# KiCad board for_real_486_rc13.kicad_pcb (continued)
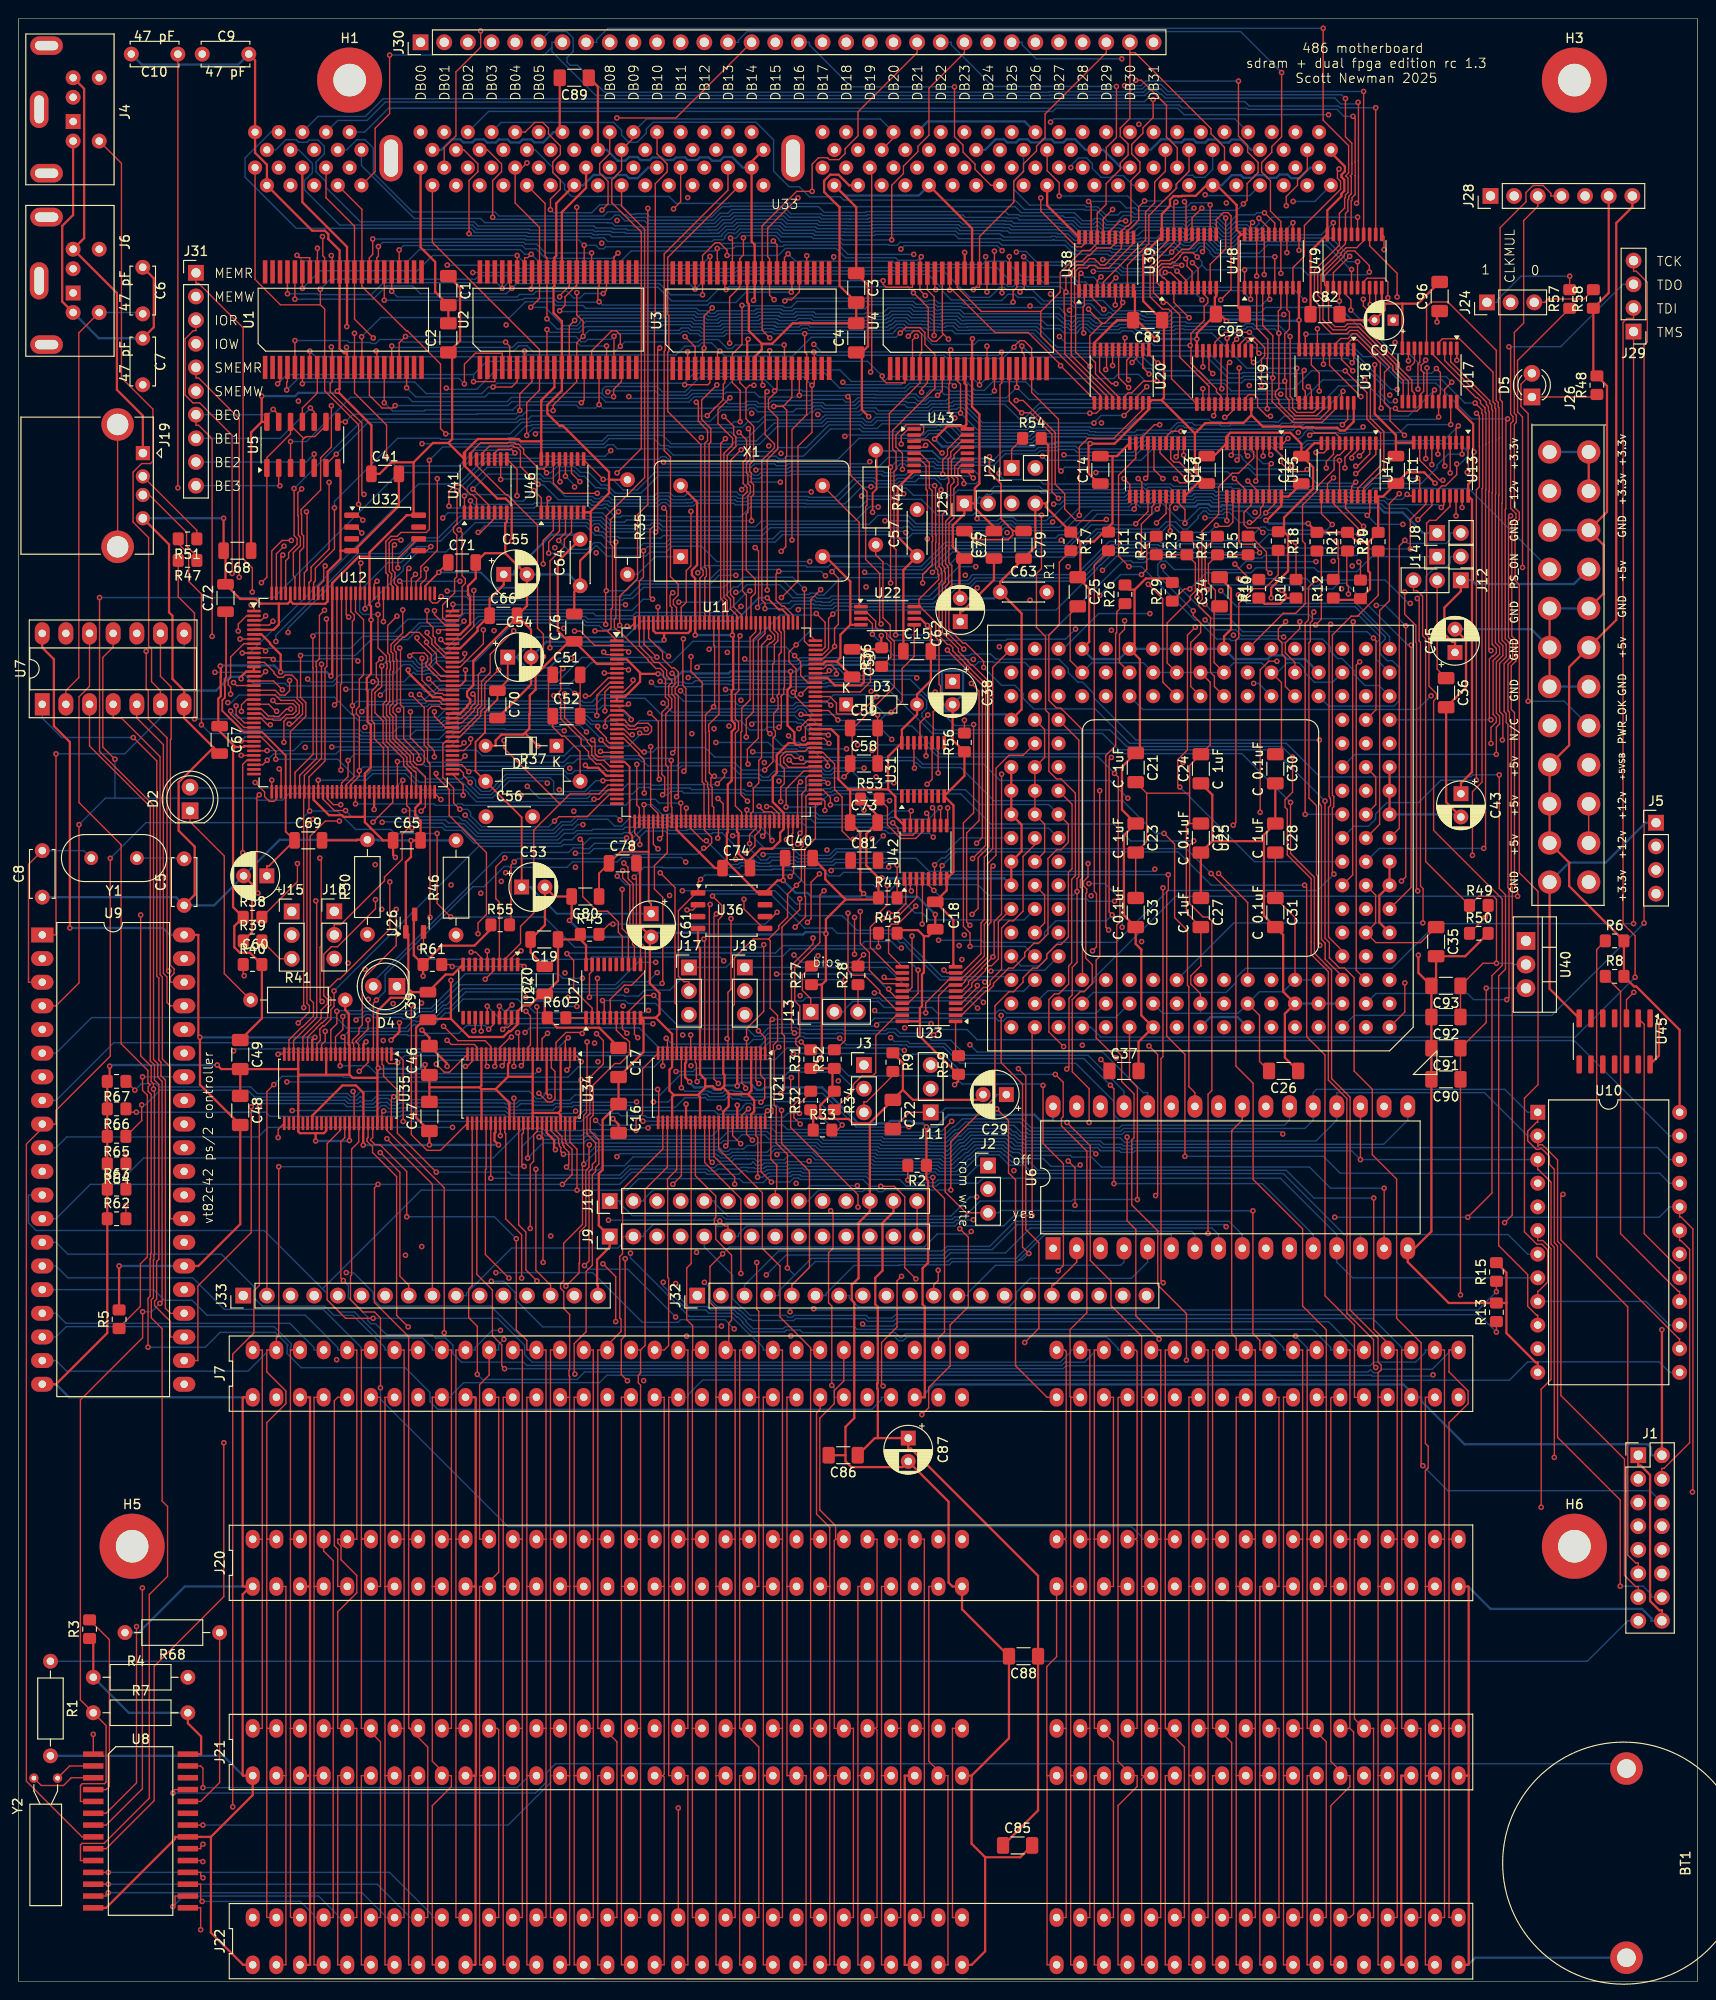
[diagram p0: board, top side]
## Nets (continued)
DB26: J30.27 U4.13 U12.117 U20.16 U33.71 U38.7
DB27: J30.28 U4.14 U12.116 U20.15 U33.72 U38.8
DB28: J30.29 U4.31 U12.115 U20.14 U33.74 U38.13
DB29: J30.30 U4.32 U12.114 U20.13 U33.75 U38.14
DB30: J30.31 U4.35 U12.113 U20.12 U33.76 U38.17
DB31: J30.32 U4.36 U12.112 U20.11 U33.77 U38.18
DB32: U33.86 U49.2
DB33: U33.87 U49.5
DB34: U33.88 U49.6
DB35: U33.89 U49.9
DB36: U33.91 U49.12
DB37: U33.92 U49.15
DB38: U33.93 U49.16
DB39: U33.94 U49.19
DB40: U33.95 U48.2
DB41: U33.97 U48.5
DB42: U33.98 U48.6
DB43: U33.99 U48.9
DB44: U33.100 U48.12
DB45: U33.101 U48.15
DB46: U33.103 U48.16
DB47: U33.104 U48.19
DB48: U33.139 U39.2
DB49: U33.140 U39.5
DB50: U33.141 U39.6
DB51: U33.142 U39.9
DB52: U33.144 U39.12
DB53: U33.149 U39.15
DB54: U33.150 U39.16
DB55: U33.151 U39.19
DB56: U33.153 U38.2
DB57: U33.154 U38.5
DB58: U33.155 U38.6
DB59: U33.156 U38.9
DB60: U33.158 U38.12
DB61: U33.159 U38.15
DB62: U33.160 U38.16
DB63: U33.161 U38.19
DQMB0: U12.82 U33.28
DQMB1: U12.83 U33.29
DQMB2: U12.84 U33.46
DQMB3: U12.85 U33.47
DQMB_HIGH: U12.87 U33.112 U33.113 U33.130 U33.131
dram0_en: U11.38 U12.95 U33.128
dram_A00: U11.119 U33.33
dram_A01: U11.120 U33.117
dram_A02: U11.121 U33.34
dram_A03: U11.122 U33.118
dram_A04: U11.124 U33.35
dram_A05: U11.125 U33.119
dram_A06: U11.128 U33.36
dram_A07: U11.129 U33.120
dram_A08: U11.130 U33.37
dram_A09: U11.134 U33.121
dram_A10: U11.135 U33.38
dram_A11: U11.136 U33.123
dram_A12: U11.137 U33.126
dram_A13: U11.138
DRQ0: J7.71 J20.71 J21.71 J22.71
DRQ1: J7.18 J20.18 J21.18 J22.18 U46.12
DRQ2: J7.6 J20.6 J21.6 J22.6 U46.13
DRQ3: J7.16 J20.16 J21.16 J22.16 U46.14
DRQ5: J7.73 J20.73 J21.73 J22.73 U46.4
DRQ6: J7.75 J20.75 J21.75 J22.75 U46.5
DRQ7: J7.77 J20.77 J21.77 J22.77 U46.6
EADS: R20.2 U25.B17
FLUSH: J10.5 U25.C15
FPGA_ADS: U7.13 U11.114 U12.74 U23.11
FPGA_BE0: U11.115 U23.18
FPGA_BE1: U11.116 U23.17
FPGA_BE2: U11.117 U23.16
FPGA_BE3: U11.118 U23.15
FPGA_CH_RDY: U12.8 U27.13
FPGA_CLOCK: U11.93 U12.130 U22.5
FPGA_D/C: U11.112 U12.63 U23.13
FPGA_IOCS16: U12.1 U27.11
FPGA_IOR: J31.3 U11.25 U24.4
FPGA_IOW: J31.4 U11.26 U24.5
FPGA_M/IO: U11.113 U12.64 U23.12
FPGA_MEMCS16: U12.2 U27.12
FPGA_MEMR: J31.1 U11.31 U24.2
FPGA_MEMW: J31.2 U11.32 U24.3
FPGA_NOWS: U12.7 U27.14
FPGA_RESET: J16.3 J18.3 R30.1 U26.2
FPGA_RESET_BUTTON: J25.3 R55.2 U11.52
FPGA_SMEMR: J31.5 U11.28 U24.6
FPGA_SMEMW: J31.6 U11.29 U24.7
FPGA_W/R: U11.110 U12.62 U23.14 U33.27
HITM: J10.1 U25.A12
HLDA: J10.11 U25.P15 U27.5
HOLD: R18.2 U25.E15
INC: J9.7 U25.A13
INT: J9.6 U12.81 U25.A16
INT_1: U9.35
INT_12: U9.36
INTA: U11.34 U12.80
INV: J9.8 U25.A10
IOCS16: J7.64 J20.64 J21.64 J22.64 U27.9
IOR: J7.14 J20.14 J21.14 J22.14 U8.22 U9.8 U10.22 U24.16
IOW: J7.13 J20.13 J21.13 J22.13 U8.27 U9.10 U10.23 U24.15
IRQ0: U10.10 U43.11
IRQ1: U43.12
IRQ1_EN: U10.11
IRQ2: J7.4 J20.4 J21.4 J22.4
IRQ3: J7.25 J20.25 J21.25 J22.25 U43.14
IRQ4: J7.24 J20.24 J21.24 J22.24 U43.3
IRQ5: J7.23 J20.23 J21.23 J22.23 U43.4
IRQ6: J7.22 J20.22 J21.22 J22.22 U43.5
IRQ7: J7.21 J20.21 J21.21 J22.21 U43.6
IRQ8: R7.1 U8.5 U41.11
IRQ9: U41.12
IRQ10: J7.65 J20.65 J21.65 J22.65 U41.13
IRQ11: J7.66 J20.66 J21.66 J22.66 U41.14
IRQ12: J7.67 J20.67 J21.67 J22.67 U41.3
IRQ13: U41.4
IRQ14: J7.69 J20.69 J21.69 J22.69 U41.5
IRQ15: J7.68 J20.68 J21.68 J22.68 U41.6
ISA_00: J1.7 J7.40 J20.40 J21.40 J22.40 U6.13 U8.11 U9.12 U10.8 U34.47
ISA_01: J1.8 J7.39 J20.39 J21.39 J22.39 U6.14 U8.12 U9.13 U10.7 U34.46
ISA_02: J1.9 J7.38 J20.38 J21.38 J22.38 U6.15 U8.13 U9.14 U10.6 U34.44
ISA_03: J1.10 J7.37 J20.37 J21.37 J22.37 U6.17 U8.15 U9.15 U10.5 U34.43
ISA_04: J1.11 J7.36 J20.36 J21.36 J22.36 U6.18 U8.16 U9.16 U10.4 U34.41
ISA_05: J1.12 J7.35 J20.35 J21.35 J22.35 U6.19 U8.17 U9.17 U10.3 U34.40
ISA_06: J1.13 J7.34 J20.34 J21.34 J22.34 U6.20 U8.18 U9.18 U10.2 U34.38
ISA_07: J1.14 J7.33 J20.33 J21.33 J22.33 U6.21 U8.19 U9.19 U10.1 U34.37
ISA_08: J7.91 J20.91 J21.91 J22.91 U34.36
ISA_09: J7.92 J20.92 J21.92 J22.92 U34.35
ISA_10: J7.93 J20.93 J21.93 J22.93 U34.33
ISA_11: J7.94 J20.94 J21.94 J22.94 U34.32
ISA_12: J7.95 J20.95 J21.95 J22.95 U34.30
ISA_13: J7.96 J20.96 J21.96 J22.96 U34.29
ISA_14: J7.97 J20.97 J21.97 J22.97 U34.27
ISA_15: J7.98 J20.98 J21.98 J22.98 U34.26
ISA_A00: J7.62 J20.62 J21.62 J22.62 U21.47
ISA_A01: J7.61 J20.61 J21.61 J22.61 U21.46
ISA_A02: J7.60 J20.60 J21.60 J22.60 U21.44
ISA_A03: J7.59 J20.59 J21.59 J22.59 U21.43
ISA_A04: J7.58 J20.58 J21.58 J22.58 U21.41
ISA_A05: J7.57 J20.57 J21.57 J22.57 U21.40
ISA_A06: J7.56 J20.56 J21.56 J22.56 U21.38
ISA_A07: J7.55 J20.55 J21.55 J22.55 U21.37
ISA_A08: J7.54 J20.54 J21.54 J22.54 U21.36
ISA_A09: J7.53 J20.53 J21.53 J22.53 U21.35
ISA_A10: J7.52 J20.52 J21.52 J22.52 U21.33
ISA_A11: J7.51 J20.51 J21.51 J22.51 U21.32
ISA_A12: J7.50 J20.50 J21.50 J22.50 U21.30
ISA_A13: J7.49 J20.49 J21.49 J22.49 U21.29
ISA_A14: J7.48 J20.48 J21.48 J22.48 U21.27
ISA_A15: J7.47 J20.47 J21.47 J22.47 U21.26
ISA_A16: J7.46 J20.46 J21.46 J22.46 U35.47
ISA_A17: J7.45 J20.45 J21.45 J22.45 U35.46
ISA_A18: J7.44 J20.44 J21.44 J22.44 U35.44
ISA_A19: J7.43 J20.43 J21.43 J22.43 U35.43
ISA_A20: J7.85 J20.85 J21.85 J22.85 U35.41
ISA_A21: J7.84 J20.84 J21.84 J22.84 U35.40
ISA_A22: J7.83 J20.83 J21.83 J22.83 U35.38
ISA_A23: J7.82 J20.82 J21.82 J22.82 U35.37
ISA_CLK: J7.20 J20.20 J21.20 J22.20 U11.141
ISA_dir: U12.12 U34.1 U34.24
ISA_High_en: U12.16 U34.25
ISA_Low_en: U12.15 U34.48
ISA_WAIT: U11.43 U12.48
isabus_en: J33.14 U11.33 U12.47
KBD_A20: J3.2 U9.22
kbd_clk: C9.2 J4.5 U7.6 U9.1
kbd_data: C10.2 J4.1 U7.8 U9.27
kbd_en: U9.6 U11.44
KEN: J10.6 U25.F15
lcd_en: J1.6 U11.7
LOCK: J10.10 U25.N15 U27.4
M/IO: J33.3 U23.8 U25.N16
MASTER16: J7.79 J20.79 J21.79 J22.79 U46.11
MCLK0: J28.1 U11.60
MCLK1: J28.2
MCLK2: J28.3 U10.9 U10.15 U10.18
MEMCS16: J7.63 J20.63 J21.63 J22.63 U27.8
MEMR: J7.89 J20.89 J21.89 J22.89 U1.37 U2.37 U3.37 U4.37 U6.24 U24.18
MEMW: J2.3 J7.90 J20.90 J21.90 J22.90 U1.15 U2.15 U3.15 U4.15 U24.17
ms_clk: C6.2 J6.5 U7.2 U9.39
ms_data: C7.2 J6.1 U7.4 U9.28
NOWS: J7.8 J20.8 J21.8 J22.8 U27.6
P14: U9.31
P15: U9.32
P16: U9.33
P21: U9.21
PCD: J10.3 U25.J17
PCHK: J10.4 U25.Q17
PIC0_en: U11.45 U12.52
PIC1_en: U11.47 U12.55
PIT_en: U10.21 U11.49
PLOCK: U25.Q16
PWT: J10.9 U25.L15
RDY: J33.13 U11.22 U25.F16
REFRESH: J7.19 J20.19 J21.19 J22.19 U10.13 U11.64 U12.129
RESET: U7.11 U9.4 U11.39 U12.73 U31.10 U42.10
rom_en: J33.15 U6.22 U11.55
rtc_en: U8.20 U11.48
S1: U12.10 U33.30
S2: U12.9 U33.45
SA0: U12.91 U33.165
SA1: U12.90 U33.166
SA2: U12.88 U33.167
SBHE: J7.81 J20.81 J21.81 J22.81
SCL: J28.4 U11.63
SDA: J28.5 U11.62
SDRAM_HIGH_BUS: U11.56 U12.11
SDRAM_HWORD: U12.37 U38.1 U39.1 U48.1 U49.1
SDRAM_LATCH: U12.38 U38.11 U39.11 U48.11 U49.11
SDRAM_SCL: U12.97 U33.83
SDRAM_SDA: U12.96 U33.82
SHIFT_CLK_EN: U12.79 U41.15 U43.15 U46.15
SHIFT_EN: U41.1 U43.1 U46.1
SMEMR: J7.12 J20.12 J21.12 J22.12 U24.14
SMEMW: J7.11 J20.11 J21.11 J22.11 U24.13
SMI: U25.B10
SMIACT: J10.2 U25.C12
speaker_en: U45.1
SPI_SS: J15.2 J17.2 U11.71 U12.71 U32.1 U36.1
sram_en: J33.9 U5.1 U5.4 U5.9 U5.12 U11.8
STPCLK: J9.10 R21.2 U25.G15
TC: J7.27 J20.27 J21.27 J22.27 U46.3
TE0: J33.5 U11.1 U17.19
TE1: J33.6 U11.2 U18.19
TE2: J33.7 U11.3 U19.19
TE3: J33.8 U11.4 U20.19
UNUSED0: U11.139 U12.61
UNUSED1: U12.60
UNUSED2: U12.56
UP: J9.9 U25.C11
USBD+: R47.2 U11.23
USBD-: R51.2 U11.24
W/R: J33.1 U17.1 U18.1 U19.1 U20.1 U23.6 U25.N17
WTWB: J13.2 U25.B13
x00: U11.18 U12.34 U34.2
x01: U11.17 U12.33 U34.3
x02: U11.16 U12.32 U34.5
x03: U11.15 U12.31 U34.6
x04: U11.12 U12.29 U34.8
x05: U11.11 U12.28 U34.9
x06: U11.10 U12.26 U34.11
x07: U11.9 U12.25 U34.12
x08: U12.24 U34.13
x09: U12.23 U34.14
x10: U12.22 U34.16
x11: U12.21 U34.17
x12: U12.20 U34.19
x13: U12.19 U34.20
x14: U12.18 U34.22
x15: U12.17 U34.23
~{CAS}: U12.42 U33.115
~{RAS}: U12.43 U33.111
~{RESET}: J16.1 J18.1 U7.10 U25.C16
Net-(BT1-+): BT1.1 U8.25
Net-(D1-K): D1.1 U12.108
Net-(D2-K): D2.1 R41.1
Net-(D3-K): D3.1 U11.108
Net-(D4-K): D4.1 R46.1
Net-(D5-A): D5.2 J26.8
Net-(D5-K): D5.1 R48.1
Net-(J1-Pin_15): J1.15 R1.1
Net-(J2-Pin_1): J2.1 R2.2
Net-(J2-Pin_2): J2.2 U6.31
Net-(J3-Pin_3): J3.3 R9.2
Net-(J5-Pin_4): J5.4 U45.3
Net-(J8-Pin_2): J8.2 U25.J1
Net-(J9-Pin_3): J9.3 R15.1
Net-(J9-Pin_5): J9.5 R13.1
Net-(J11-Pin_2): J11.2 U25.S4
Net-(J13-Pin_1): J13.1 R27.2
Net-(J13-Pin_3): J13.3 R28.1
Net-(J14-Pin_1): J14.1 R29.1
Net-(J14-Pin_2): J14.2 U25.C10
Net-(J15-Pin_1): J15.1 R40.1
Net-(J15-Pin_3): J15.3 R39.2
Net-(J17-Pin_1): J17.1 R45.1
Net-(J17-Pin_3): J17.3 R44.2
Net-(J19-D+): J19.3 R47.1
Net-(J19-D-): J19.2 R51.1
Net-(J20-IO): J7.32 J20.32 J21.32 J22.32
Net-(J20-LA17): J7.88 J20.88 J21.88 J22.88
Net-(J20-LA18): J7.87 J20.87 J21.87 J22.87
Net-(J20-LA19): J7.86 J20.86 J21.86 J22.86
Net-(J20-OSC): J7.30 J20.30 J21.30 J22.30
Net-(J20-RESET): J7.2 J20.2 J21.2 J22.2
Net-(J24-Pin_1): J24.1 R57.2
Net-(J24-Pin_2): J24.2 U25.R17
Net-(J24-Pin_3): J24.3 R58.2
Net-(J25-Pin_2): J25.2 J26.16
Net-(J27-Pin_1): J27.1 R54.1
Net-(J29-Pin_1): J29.1 U25.B14
Net-(J29-Pin_2): J29.2 U25.A14
Net-(J29-Pin_3): J29.3 U25.B16
Net-(J29-Pin_4): J29.4 U25.A3
Net-(U1-~{CE}): U1.8 U5.11
Net-(U2-~{CE}): U2.8 U5.8
Net-(U3-~{CE}): U3.8 U5.6
Net-(U4-~{CE}): U4.8 U5.3
Net-(U8-Vout): R4.2 U8.1
Net-(U8-X1): U8.2 Y2.2
Net-(U8-X2): U8.3 Y2.1
Net-(U8-~{KS}): R68.1 U8.24
Net-(U8-~{RST}): R3.2 U8.4
Net-(U9-KBCO): U7.5 U9.37
Net-(U9-KBDO): U7.9 U9.38
Net-(U9-P22/MSDO): U7.3 U9.23
Net-(U9-P23/MSCO): U7.1 U9.24
Net-(U9-xtal_1): C5.2 U9.2 Y1.1
Net-(U9-xtal_2): C8.2 U9.3 Y1.2
Net-(U9-~{KBD-INH}): R5.1 U9.34
Net-(U10-G1): R6.1 U10.14
Net-(U10-G2): R8.1 U10.16
Net-(U10-OUT2): U10.17 U45.2
Net-(U11E-GNDPLL0): C58.2 C59.2 U11.53 U11.127
Net-(U11E-IOB_105_SDO): U11.67 U36.5
Net-(U11E-IOB_106_SDI): U11.68 U36.2
Net-(U11E-IOB_107_SCK): R43.2 U11.70 U36.6
Net-(U11E-VCC_SPI): C63.2 U11.72
Net-(U11E-VCCPLL0): C58.1 C59.1 R42.2 U11.54 U11.126
Net-(U12E-GNDPLL0): C51.2 C52.2 U12.53 U12.127
Net-(U12E-IOB_105_SDO): U12.67 U32.5
Net-(U12E-IOB_106_SDI): U12.68 U32.2
Net-(U12E-IOB_107_SCK): R38.2 U12.70 U32.6
Net-(U12E-VCC_SPI): C56.2 U12.72
Net-(U12E-VCCPLL0): C51.1 C52.1 R37.2 U12.54 U12.126
Net-(U13-A->B): R10.2 U13.1
Net-(U14-A->B): R12.2 U14.1
Net-(U15-A->B): R14.2 U15.1
Net-(U16-A->B): R16.2 U16.1
Net-(U21-1DIR): R62.2 U21.1
Net-(U21-1~{OE}): R66.1 U21.48
Net-(U21-2DIR): R63.2 U21.24
Net-(U21-2~{OE}): R67.1 U21.25
Net-(U22-1G): R36.1 U22.2
Net-(U22-CLKIN): U22.1 X1.8
Net-(U23-A->B): R59.2 U23.1
Net-(U23-CE): R34.2 U23.19
Net-(U24-A->B): R61.2 U24.1
Net-(U24-CE): R33.2 U24.19
Net-(U25-DP0): R25.2 U25.N3
Net-(U25-DP1): R24.2 U25.F1
Net-(U25-DP2): R23.2 U25.H3
Net-(U25-DP3): R22.2 U25.A5
Net-(U25-FERR): R17.2 U25.C14
Net-(U25-IGNNE): R11.2 U25.A15
Net-(U25-NMI): R26.1 U25.B15
Net-(U27-A->B): R60.2 U27.1
Net-(U27-CE): R52.2 U27.19
Net-(U31-SER): U31.14 U42.9
Net-(U31-~{OE}): R56.2 U31.13
Net-(U35-1DIR): R32.2 U35.1
Net-(U35-1~{OE}): R65.1 U35.48
Net-(U35-2DIR): R31.2 U35.24
Net-(U35-2~{OE}): R64.1 U35.25
Net-(U40-ADJ): R49.2 R50.1 U40.1
Net-(U41-DS): U41.10 U43.9
Net-(U42-~{OE}): R53.2 U42.13
Net-(U43-DS): U43.10 U46.9
Net-(X1-Tri-State): R35.2 X1.1

Pads without a net: C81 1 2; H1 1; H3 1; H5 1; H6 1; J4 2 6 7; J5 2 3; J6 2 6 7; J7 5 7; J9 11 12 13; J11 3; J19 5; J20 5 7; J21 5 7; J22 5 7; J26 9 20; U1 1 2 21 22 23 24 25 42 43 44; U2 1 2 21 22 23 24 25 42 43 44; U3 1 2 21 22 23 24 25 42 43 44; U4 1 2 21 22 23 24 25 42 43 44; U6 1 30; U8 23 26; U9 5 7 11 25 29 30; U11 35 36 50 51 58 77 109 133; U12 35 36 50 51 58 77 109 133; U22 7; U24 8 9 11 12; U25 C13; U27 15 16 17 18; U31 1 2 3 4 5 6 7 9 15; U32 3 7; U33 21 22 24 25 31 44 48 50 51 52 53 61 62 63 80 81 105 106 108 109 114 125 129 132 134 135 136 137 145 146 147 163 164; U35 26 27 29 30 32 33 35 36; U36 3 7; U41 7; U43 7; U45 4 5 6 8 9 10 11 12 13; U46 7 10

## Via types
v1: diameter 0.6, hole 0.3, Top to Bottom, 1514 vias

## Routing (per net, layer and track width the routed paths; a pad name or vN(x,y) marks a point on that pad's centre or on a via; arc(x,y) is an arc through that point)
+1V2: length 289.9
  Top w0.2: C71.1 45.13,151.38 v1(45.13,151.34) 43.69,149.9 U12.111 ; 65.92,121.34 65.92,123.07 65.63,123.35 65.63,130.46 65.09,131 U11.27 ; 65.92,121.34 64.67,121.34 C78.1 62.36,119.02 C80.1 ; 65.92,121.34 67.68,121.34 ; v1(80.42,148.6) 81.68,147.34 82.04,147.34 82.68,146.7 U11.111 ; U12.92 47.45,139.18 48,139.73 v1(48,140.86) ; 106.79,155.78 106.79,155.86 105.52,157.12 105.52,160.87 104.29,162.11 v1(104.29,163.77) ; 106.79,155.78 106.79,155.36 106.29,154.86 102.52,154.86 C77.1 ; 106.79,155.78 C79.1 ; v1(91.74,157.79) 91.74,159.87 92.17,160.3 92.17,164.37 R42.1 ; C60.1 26.67,119.8 26.88,119.8 C69.1 28.69,123.5 U12.40 28.69,131.67 26.18,134.18 U12.27 24.17,134.18 21.88,136.47 21.88,137.6 22.16,137.88 22.16,139.08 22.13,139.11 22.13,139.9 22.29,140.05 22.29,147.05 C72.1 ; v1(84.04,136.09) 84.13,136 U11.92 ; C53.1 54.04,125.03 R37.1 49.08,129.98 49.08,133.13 50.11,134.15 50.11,136.36 51.44,137.69 C70.1 52.54,139.74 C54.1 ; 67.68,121.34 67.68,116 67.94,115.74 C61.1 ; 67.68,121.34 U11.40
  In1.Cu w0.2: C54.1 49.38,142.24 v1(48,140.86) ; v1(80.42,148.6) 80.49,148.6 81.39,149.5 81.39,149.75 89.43,157.79 v1(91.74,157.79) ; C60.1 27.72,118.74 29.3,117.17 46.71,117.17 47.08,117.54 52.99,117.54 C53.1 ; v1(59.37,142.11) 62.59,142.11 65.81,138.9 69.5,138.9 74.48,133.91 76.23,133.91 80.58,138.26 81.87,138.26 v1(84.04,136.09)
  In2.Cu w0.2: C54.1 52.54,143.29 53.96,144.71 v1(53.96,149.69)
  Bottom w0.2: C61.1 57.82,114.68 55.09,117.41 55.09,117.54 C53.1 ; 53.53,142.24 53.53,142.15 54.58,141.11 57.02,141.11 58.03,142.11 v1(59.37,142.11) ; 53.53,142.24 C54.1 ; 53.53,142.24 53.53,142.3 55.6,144.37 65.19,144.37 66.94,146.12 77.02,146.12 79.5,148.6 v1(80.42,148.6) ; v1(45.13,151.34) 49.65,151.34 51.3,149.69 v1(53.96,149.69) ; v1(104.29,163.77) 104.09,163.57 98.96,163.57 98.14,164.38 92.16,164.38 R42.1
+3.3V: length 1400.9
  Top w0.25: v1(44.13,89.85) C47.1 42.7,92.78 42.7,102.43 43.56,103.3 C39.1 44.06,103.39 46.44,103.39 ; 37.19,125.08 34.92,125.08 34.74,125.26 33.34,125.26 31.69,126.91 U12.46 ; 37.19,125.08 37.19,124.51 39.15,122.55 C65.1 40.23,120.97 v1(40.48,120.73) ; 37.19,125.08 U12.57 37.19,129.74 37.83,130.37 37.83,134.96 37.49,135.3 37.49,138.63 37.4,138.72 37.4,139.98 37.86,140.44 v1(37.86,146.25) 37.86,147.68 37.69,147.85 37.69,153.03 ; 76.18,120.14 76.08,120.24 76.08,123.31 76.18,123.41 U11.57 76.18,128.54 76.6,128.96 76.6,134.24 76.93,134.58 76.93,135.1 76.6,135.44 76.6,138.64 76.76,138.81 76.76,144.51 v1(76.67,144.61) 76.68,144.61 U11.123 ; 76.18,120.14 79.31,117.01 80.08,117.01 U36.8 81.52,118.25 v1(82.14,118.25) 82.14,120.44 C40.1 ; 76.18,120.14 C74.1 74.8,119.58 70.68,123.7 U11.46 ; v1(90.77,116.84) 90.42,117.19 90.42,123.37 C73.1 89.33,128.04 ; U12.100 47.43,143.18 49.3,145.05 49.3,145.42 50.56,146.69 C66.1 50.59,148.49 52.11,150 C55.1 ; 92.29,58.36 C87.1 95.57,57.23 95.85,57.23 109.51,43.56 C88.1 109.51,18.36 C85.1 ; 92.29,58.36 91.98,58.36 C86.1 ; 92.29,58.36 92.29,63.63 92.24,63.69 92.24,64.21 92.29,64.27 92.29,72.45 92.03,72.72 92.03,75.57 92.8,76.35 92.8,81.47 93.98,82.64 J10.13 ; U33.41 89.98,190.56 C3.1 91.24,182.2 91.24,175.63 90.58,174.97 ; 56.14,165.41 53.97,165.41 53.72,165.66 49.32,165.66 47.89,164.23 U41.16 ; 56.14,165.41 56.14,169.81 57.55,171.22 U2.11 ; 56.14,165.41 U46.16 ; v1(28.15,140.64) 28.15,142.52 27.01,143.66 27.01,143.76 26.09,144.68 U12.6 ; 60.34,111.91 60.96,111.3 U27.20 ; 60.34,111.91 R43.1 ; 60.34,111.91 C19.1 57.94,107.47 C20.1 ; U33.124 78.74,195.45 U33.40 78.74,186.88 79.07,186.55 U3.33 79.07,180.68 v1(78.95,180.56) ; 93.4,128.04 94.19,127.25 94.19,125.1 U42.16 ; 93.4,128.04 93.4,131.56 U31.16 94.88,134.45 96.52,136.08 D3.2 96.52,138.24 98,139.72 C15.2 98,145.27 v1(97.63,145.64) 96.91,146.36 U22.6 ; 93.4,128.04 89.33,128.04 ; C64.2 57.92,152.49 57.92,145.07 59.05,143.94 C76.1 ; C50.1 90.79,143.08 ; 90.79,143.08 92.55,143.08 R36.2 92.68,143.27 v1(92.68,144.55) ; 90.79,143.08 90.79,139.52 90.48,139.2 87.7,139.2 86.89,140 U11.100 ; v1(100.55,96.31) 100.91,96.67 100.91,97.42 ; 89.33,128.04 89.14,128.04 88.05,129.12 88.05,133.73 87.28,134.5 U11.89 ; v1(133.98,156.94) 134.09,156.94 135.64,158.49 U15.20 136.41,159.49 C12.1 ; 122.78,169.84 121.72,169.84 U20.20 121.42,168.85 117.74,165.17 v1(115.11,165.17) 114.94,164.99 114.94,161.96 116.02,160.88 C14.1 ; 122.78,169.84 123.03,170.09 123.03,178.25 C83.1 120.81,180.48 120.81,185.44 122.8,187.44 U39.20 122.8,189.83 123.68,190.71 123.68,191.37 124.06,191.74 124.58,191.74 124.59,191.73 124.93,191.73 124.98,191.79 126.46,191.79 127.58,192.91 U33.73 128.73,192.91 130.85,190.8 130.85,188.13 131.33,187.65 ; 122.78,169.84 126.36,166.26 ; C17.1 64.45,100.35 62.36,102.44 57.85,102.44 R60.1 56.52,103.77 C20.1 ; 131.33,187.65 131.04,187.35 131.04,179.77 C95.1 ; 131.33,187.65 U48.20 ; v1(98.4,165.66) 99.77,167.04 101.62,167.04 ; U4.11 101.62,171.65 101.81,171.46 101.81,167.22 101.62,167.04 ; R61.1 42.45,110.22 42.45,114.51 U26.3 ; R61.1 45.48,111.25 48.96,111.25 50.73,113.02 R55.1 ; R61.1 43.45,107.98 v1(43.45,107.98) ; 132.42,168.23 133.65,167 137.73,167 137.85,166.88 141.64,166.88 141.95,166.58 142.47,166.58 143.42,167.53 U18.20 ; 132.42,168.23 U19.20 ; 132.42,168.23 131.56,167.37 127.47,167.37 126.36,166.26 ; R16.1 133.84,147.97 135.52,147.97 136.14,148.59 ; 46.16,165.24 46.57,165.65 46.57,174.56 C2.1 47.42,176.23 47.42,181.91 C1.1 ; 46.16,165.24 U41.16 ; 46.16,165.24 44.51,165.24 42.43,163.16 ; v1(135.69,149.41) 136.14,148.96 136.14,148.59 ; 125.21,159.49 127.12,161.4 ; 127.12,161.4 C13.1 ; 127.12,161.4 126.46,162.06 126.46,163.17 126.36,163.26 126.36,166.26 ; X1.14 72.89,158.89 72.89,152.13 72.33,151.57 72.33,151.05 72.68,150.7 U11.131 v1(72.68,144.61) ; 90.58,174.97 90.58,168.81 v1(91.32,168.08) ; 90.58,174.97 C4.1 ; U11.30 63.11,129.5 62.26,130.35 61.16,130.35 v1(60.88,130.63) ; 54.39,134.09 54.22,133.92 51.88,133.92 51.24,133.28 51.24,132.71 D1.2 ; 54.39,134.09 54.86,134.56 54.86,136.1 54.91,136.15 54.91,138.13 55.54,138.76 55.54,140.32 59.15,143.94 C76.1 ; 54.39,134.09 v1(55.78,132.69) ; 100.91,97.42 R59.1 ; 100.91,97.42 96.82,101.51 96.82,103.12 ; C76.1 62.12,141.5 U11.6 ; U33.49 102.42,188.28 U4.33 ; U41.16 47.89,162.8 51.42,159.27 52.31,159.27 52.97,158.61 v1(52.97,154.69) ; 144.98,154.56 R19.2 146.05,159.24 U14.20 146.57,159.49 C11.2 149.16,162.08 150.99,162.08 v1(152.16,160.92) ; 144.98,154.56 143.83,154.56 R20.1 R21.1 138.53,156.58 v1(138.53,156.59) ; 144.98,154.56 144.98,151.49 145.18,151.29 145.18,149.55 R10.1 144.02,148.39 141.42,148.39 R12.1 ; v1(78.36,176.38) 78.27,176.29 U3.11 ; 37.69,153.03 36.52,153.03 33.69,150.2 U12.131 33.69,140.35 v1(33.54,140.2) ; 37.69,153.03 37.69,153.48 41.69,157.48 42.43,157.48 ; 156.25,164.27 156.25,167.28 154.5,169.04 154.5,169.68 ; 156.25,164.27 156.25,161.34 155.71,160.8 155.71,159.56 156.13,159.14 156.13,129.88 154.94,128.7 C43.1 ; 156.25,164.27 v1(156.35,164.27) ; U33.110 62.23,203.49 C89.1 ; 23.28,132.59 23.04,132.35 23.04,115.39 R38.1 23.17,113.34 23.17,111.08 23.77,110.49 24.86,110.49 R40.2 26.13,103.43 C49.1 ; 23.28,132.59 21.59,134.28 C67.1 21.45,134.96 21.45,137.78 21.72,138.05 21.72,138.92 21.7,138.93 21.7,140.08 21.72,140.09 21.72,141.23 v1(21.66,141.28) ; 23.28,132.59 24.16,132.59 24.25,132.68 U12.30 ; v1(57.66,89.33) 57.53,89.47 57.53,90.34 56.72,91.14 U34.42 ; 97.25,112.27 96.61,112.91 94.7,112.91 R45.2 ; 97.25,112.27 97.73,112.27 C18.2 v1(98.47,114.6) ; 97.25,112.27 97.25,108.37 97.04,108.16 97.04,104.76 96.82,104.54 96.82,103.12 ; 58.36,183.62 58.36,190.03 60.96,192.64 U33.26 ; v1(37.02,89.83) 37.02,92.15 U35.42 37.04,95.43 36.24,96.23 34.79,96.23 31.54,92.99 U35.31 ; C68.1 24.97,166.37 26.11,167.51 ; U33.59 110.49,190.75 U38.20 ; 96.82,103.12 U23.20 ; C20.1 56.14,106.04 54.92,104.82 54.23,104.82 53.6,104.19 U24.20 53.6,102.8 52.86,102.05 52.68,102.05 52.07,101.44 48.38,101.44 46.44,103.39 ; C62.1 101.15,147.18 101.41,147.18 104.77,150.54 C75.1 ; v1(152.37,178.24) 152.37,179.13 C96.1 ; U33.6 30.48,191.1 35.28,186.3 35.28,177.77 v1(35.25,177.74) ; U45.14 176.21,99.44 v1(176.21,103.15) ; 26.11,167.51 U5.14 ; 26.11,167.51 v1(26.11,170.28) ; 136.14,148.59 R14.1 ; J26.2 J26.1 ; 42.43,163.16 42.43,157.48 ; 42.43,163.16 40.02,163.16 38.79,161.92 37.89,161.92 37.89,167.14 v1(34.24,170.8) 34.48,171.04 U1.11 ; 42.43,157.48 U32.8 ; 101.62,167.04 U43.16 ; C82.1 138.79,179.08 138.79,185.85 U49.20 140.58,190.23 142.1,191.75 142.1,192.01 142.41,192.32 142.41,193.51 142.1,193.82 142.1,194.05 142.47,194.42 142.47,194.94 140.97,196.44 U33.168 ; 46.44,103.39 v1(46.44,107.52) ; U12.89 45.59,137.68 45.34,137.93 44.5,137.93 41.84,140.59 v1(41.84,140.86) ; v1(51.56,89.85) 51.12,90.28 51.12,91.09 51.22,91.2 U34.31 ; U21.42 v1(77.2,94.11) ; U21.31 v1(71.7,94.22)
  In1.Cu w0.25: 57.66,89.55 60.73,89.55 61.06,89.22 66.7,89.22 v1(71.7,94.22) 71.94,94.47 76.84,94.47 v1(77.2,94.11) ; 57.66,89.55 v1(57.66,89.33) ; 57.66,89.55 51.86,89.55 v1(51.56,89.85) ; v1(43.45,107.98) 45.98,107.98 v1(46.44,107.52) ; C43.1 156.07,127.57 163.46,120.17 166.56,120.17 J26.12 ; v1(55.78,132.69) 57.55,130.93 60.58,130.93 v1(60.88,130.63) ; J26.13 156.35,164.27 v1(156.35,164.27) ; v1(152.37,178.24) 152.18,178.44 C97.1 ; U33.41 81.79,192.91 79.88,194.82 U33.40 ; v1(91.32,168.08) 95.98,168.08 v1(98.4,165.66) ; U33.26 60.01,194.82 58.91,193.72 57.93,193.72 57.65,194 56.65,194 56.37,193.72 55.39,193.72 55.03,194.08 54.19,194.08 53.79,193.68 52.89,193.68 51.75,194.82 U33.18 ; C62.1 100.03,146.05 99.62,145.64 v1(97.63,145.64) 93.76,145.64 v1(92.68,144.55) ; C64.2 60.33,155.1 61.83,156.61 66.74,156.61 70.78,160.65 X1.14
  In2.Cu w0.25: U33.6 31.75,196.09 U33.90 ; v1(176.21,103.15) 175.71,103.15 168.67,110.2 J26.12 ; v1(100.55,96.31) 98.75,94.52 96.96,94.52 93.98,91.54 J10.13 ; v1(40.48,120.73) 43.28,117.93 43.28,113.73 43.71,113.3 43.71,108.23 v1(43.45,107.98) ; v1(37.86,146.25) 40.27,143.84 42.38,143.84 43.48,142.74 43.61,142.74 44.08,142.27 44.08,141.88 43.6,141.39 42.37,141.39 v1(41.84,140.86) ; C62.1 101.15,147.18 100.87,147.18 100.03,148.02 100.03,154.57 C57.2 96.52,158.08 96.52,163.12 98.4,164.99 v1(98.4,165.66) ; C97.1 147.66,179.36 145.76,181.26 145.76,189.84 140.24,195.36 ; U33.18 52.07,196.09 U33.102 ; U33.168 140.97,196.09 140.24,195.36 ; 140.24,195.36 U33.84 ; v1(78.95,180.56) 78.36,179.97 v1(78.36,176.38) ; v1(35.25,177.74) 34.24,176.73 v1(34.24,170.8) ; U33.59 110.49,195.14 111.59,196.24 111.59,197.21 110.17,198.63 U33.143 ; U33.110 62.23,196.09 U33.26 ; U33.157 127.95,198.63 129.37,197.21 129.37,196.24 128.27,195.14 U33.73 ; v1(152.37,178.24) 157.23,173.38 157.23,165.16 v1(156.35,164.27) 155.94,164.68 154.15,164.68 152.58,163.11 152.58,161.99 152.16,161.56 v1(152.16,160.92) ; U33.49 97.79,195.14 98.89,196.24 98.89,197.21 97.47,198.63 U33.133 ; v1(52.97,154.69) 52.11,153.83 C55.1 ; v1(133.98,156.94) 134.29,156.62 134.29,155.37 133.98,155.05 133.98,154.17 134.29,153.86 134.29,152.86 135.69,151.47 v1(135.69,149.41)
  Bottom w0.25: C64.2 59.83,155.39 57.21,155.39 53.24,151.41 53.24,151.13 C55.1 ; v1(33.54,140.2) 33.1,140.64 v1(28.15,140.64) 27.45,141.34 21.72,141.34 v1(21.66,141.28) ; v1(76.67,144.61) v1(72.68,144.61) ; v1(51.56,89.85) v1(44.13,89.85) 44.11,89.83 v1(37.02,89.83) ; v1(115.11,165.17) 114.99,165.29 111.38,165.29 111.26,165.17 109.39,165.17 109.08,164.86 99.19,164.86 v1(98.4,165.66) ; U33.73 129.22,192.91 130.31,194 131.31,194 131.59,193.72 132.57,193.72 132.85,194 133.85,194 134.13,193.72 135.11,193.72 135.47,194.08 136.31,194.08 136.71,193.68 137.61,193.68 138.75,194.82 U33.84 ; U33.49 96.69,191.82 88.73,191.82 U33.41 ; v1(34.24,170.8) 34.06,170.62 30.06,170.62 29.72,170.28 v1(26.11,170.28) ; v1(138.53,156.59) 134.33,156.59 v1(133.98,156.94) ; v1(98.47,114.6) 96.56,116.5 91.11,116.5 v1(90.77,116.84) 90.45,116.52 85.14,116.52 84.75,116.91 83.48,116.91 v1(82.14,118.25) ; U33.110 63.18,196.72 64.35,195.56 65.19,195.56 65.59,195.95 66.49,195.95 66.82,195.62 67.8,195.62 68.09,195.91 69.07,195.91 69.35,195.63 70.35,195.63 70.63,195.91 71.61,195.91 71.89,195.63 72.89,195.63 73.17,195.92 74.15,195.92 74.51,195.56 75.35,195.56 75.75,195.95 76.65,195.95 77.79,194.82 U33.40 ; U33.133 97.67,199.78 108.07,199.78 U33.143 ; J26.13 J26.1
+5V: length 913.2
  Top w0.25: v1(72.09,96.62) 71.6,97.11 71.6,98.61 71.7,98.71 U21.18 ; U9.40 19.31,112.4 19.31,101.57 v1(19.48,101.4) 19.48,96.32 C48.2 23.81,81.34 19.31,76.84 U9.26 ; U7.14 2.53,143.26 3.79,142.01 3.79,134.83 5.5,133.12 v1(5.5,113.15) ; v1(40.91,102.97) 40.91,101.99 v1(40.01,101.1) ; v1(43.33,102.17) 44.13,101.37 C46.2 46.03,98.58 v1(46.03,98.28) ; J22.78 148.53,1.78 148.53,22.1 J21.78 ; J7.3 31.3,62.74 31.3,42.53 31.19,42.42 ; U34.18 51.22,98.36 v1(51.14,98.28) ; R3.1 8.02,36.43 R4.1 ; J20.3 31.19,42.42 ; 31.19,42.42 31.3,42.42 31.3,22.21 31.19,22.1 ; v1(37.32,100.92) 37.04,100.64 U35.7 ; v1(63.84,92.66) 64.45,92.05 C16.2 ; J1.2 v1(176.53,70) ; J22.29 95.19,1.78 95.19,22.1 J21.29 ; J12.1 154.93,149.32 153.16,147.55 153.16,144.73 154.02,143.87 154.31,143.87 C45.1 ; U8.28 19.61,24.41 19.61,26.3 18.18,27.73 R7.2 ; 31.19,22.1 31.3,22.1 31.3,1.78 J22.3 ; 31.19,22.1 J21.3 ; R5.2 v1(10.8,76.84) ; U35.18 31.54,101.11 v1(31.83,101.4) ; J7.29 97.34,62.74 97.34,72.48 97.11,72.72 97.11,76.59 97.7,77.19 97.7,85.98 97.52,86.16 R2.1 v1(97.52,91.79) ; v1(57.04,95.04) 56.72,95.36 U34.7 ; J28.7 173.36,190.59 171.63,188.87 171.63,146.24 J26.6 166.56,141.17 166.56,132.77 J26.21 J26.22 J26.23 166.57,120.17 166.57,117.64 R6.2 R8.2 173.54,106.86 173.77,106.86 178.43,102.2 U10.24 ; J19.1 13.35,168.16 10.56,170.95 10.56,181.35 J6.4 7.04,187.24 7.04,203.29 J4.4 ; U21.7 v1(77.2,96.17)